# KiCad board EnvChocTKL.kicad_pcb
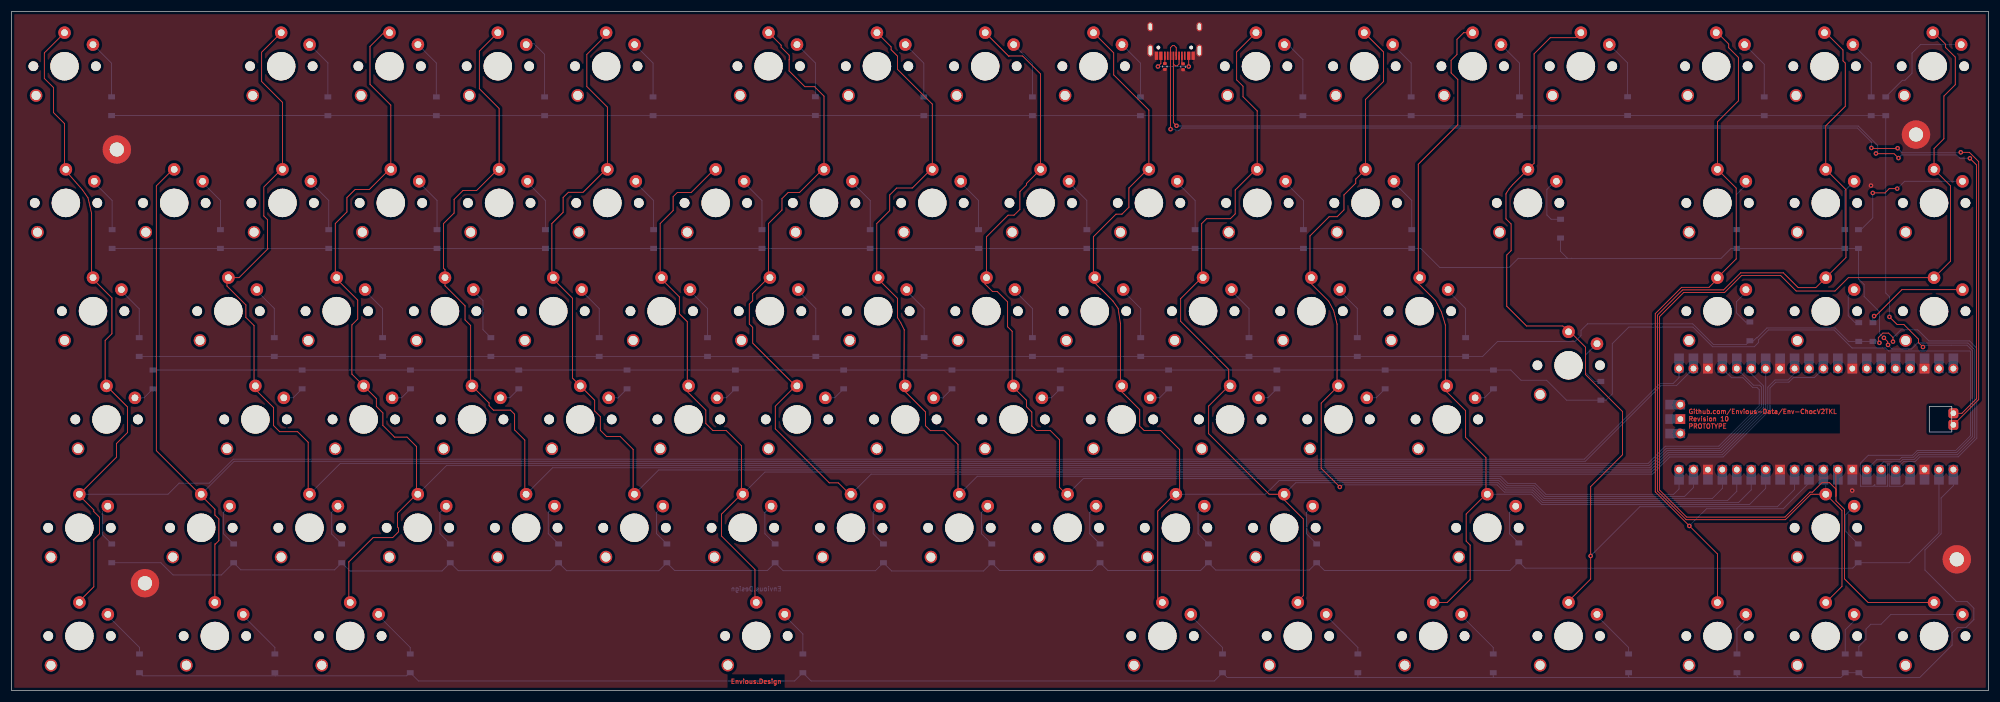
[diagram p0: board, top side]
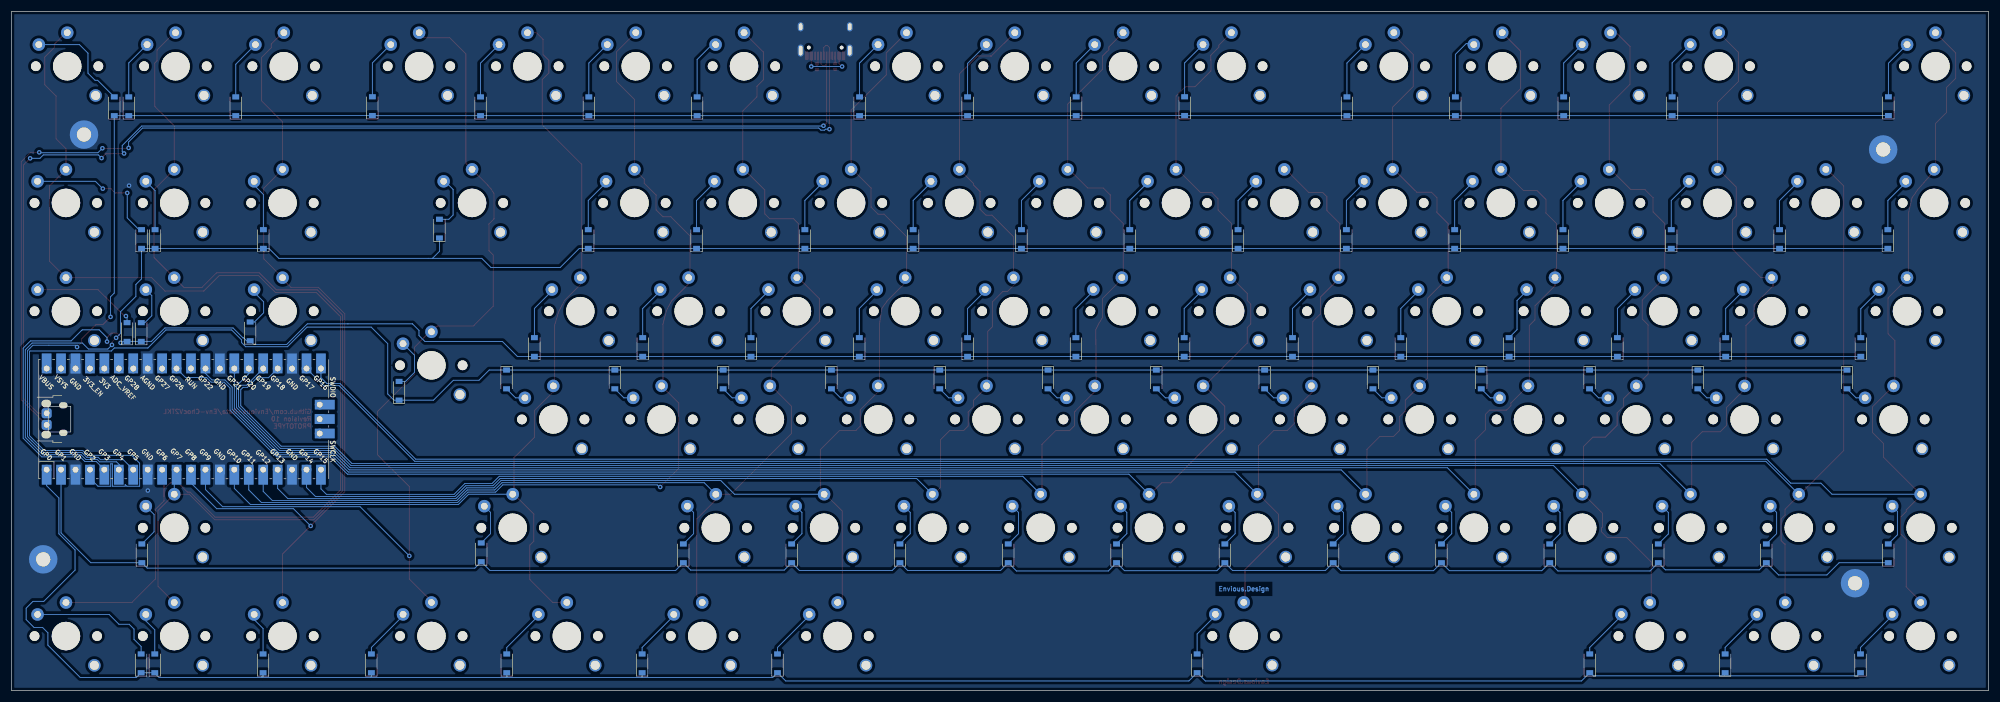
[diagram p1: board, bottom side, seen from below]

Outline 347.8 x 119.5 mm; copper layers: Top, Bottom. Coordinates in mm from the lower left corner of the outline.
Outline path: rectangle 0,119.5 347.8,0 ; rectangle 337.35,50.03 341.33,45.5
Stack: Top 0.035mm / dielectric 1.51mm FR4 er 4.5 / Bottom 0.035mm

## Placement (name value [footprint] x y rotation side)
D_0  D  [D_SOD-123]  17.63 102.82 90 bottom
D_1  D  [D_SOD-123]  55.68 102.8 90 bottom
D_2  D  [D_SOD-123]  74.75 102.8 90 bottom
D_3  D  [D_SOD-123]  93.8 102.8 90 bottom
D_4  D  [D_SOD-123]  112.88 102.8 90 bottom
D_5  D  [D_SOD-123]  141.43 102.82 90 bottom
D_6  D  [D_SOD-123]  160.5 102.8 90 bottom
D_7  D  [D_SOD-123]  179.6 102.8 90 bottom
D_8  D  [D_SOD-123]  198.6 102.8 90 bottom
D_9  D  [D_SOD-123]  227.17 102.8 90 bottom
D_10  D  [D_SOD-123]  246.22 102.8 90 bottom
D_11  D  [D_SOD-123]  265.27 102.8 90 bottom
D_12  D  [D_SOD-123]  284.3 102.82 90 bottom
D_13  D  [D_SOD-123]  308.33 102.8 90 bottom
D_14  D  [D_SOD-123]  327.15 102.8 90 bottom
D_15  D  [D_SOD-123]  329.7 102.8 90 bottom
D_16  D  [D_SOD-123]  17.73 79.45 90 bottom
D_17  D  [D_SOD-123]  36.77 79.45 90 bottom
D_18  D  [D_SOD-123]  55.82 79.45 90 bottom
D_19  D  [D_SOD-123]  74.88 79.45 90 bottom
D_20  D  [D_SOD-123]  93.93 79.45 90 bottom
D_21  D  [D_SOD-123]  112.97 79.45 90 bottom
D_22  D  [D_SOD-123]  132.03 79.45 90 bottom
D_23  D  [D_SOD-123]  151.08 79.45 90 bottom
D_24  D  [D_SOD-123]  170.12 79.45 90 bottom
D_25  D  [D_SOD-123]  189.18 79.45 90 bottom
D_26  D  [D_SOD-123]  208.22 79.45 90 bottom
D_27  D  [D_SOD-123]  227.28 79.45 90 bottom
D_28  D  [D_SOD-123]  246.33 79.45 90 bottom
D_29  D  [D_SOD-123]  272.5 81.28 90 bottom
D_30  D  [D_SOD-123]  303.47 79.45 90 bottom
D_31  D  [D_SOD-123]  322.52 79.45 90 bottom
D_32  D  [D_SOD-123]  324.9 79.45 90 bottom
D_33  D  [D_SOD-123]  22.49 60.45 90 bottom
D_34  D  [D_SOD-123]  46.25 60.45 90 bottom
D_35  D  [D_SOD-123]  65.3 60.45 90 bottom
D_36  D  [D_SOD-123]  84.35 60.45 90 bottom
D_37  D  [D_SOD-123]  103.4 60.45 90 bottom
D_38  D  [D_SOD-123]  122.45 60.45 90 bottom
D_39  D  [D_SOD-123]  141.5 60.45 90 bottom
D_40  D  [D_SOD-123]  160.55 60.45 90 bottom
D_41  D  [D_SOD-123]  179.6 60.45 90 bottom
D_42  D  [D_SOD-123]  198.65 60.45 90 bottom
D_43  D  [D_SOD-123]  217.7 60.45 90 bottom
D_44  D  [D_SOD-123]  236.75 60.45 90 bottom
D_45  D  [D_SOD-123]  255.8 60.45 90 bottom
D_46  D  [D_SOD-123]  279.6 52.75 90 bottom
D_47  D  [D_SOD-123]  305.8 63.2 90 bottom
D_48  D  [D_SOD-123]  324.95 63.09 90 bottom
D_49  D  [D_SOD-123]  327.45 63.09 90 bottom
D_50  D  [D_SOD-123]  24.91 54.75 270 bottom
D_51  D  [D_SOD-123]  51.15 54.75 270 bottom
D_52  D  [D_SOD-123]  70.2 54.75 270 bottom
D_53  D  [D_SOD-123]  89.25 54.75 270 bottom
D_54  D  [D_SOD-123]  108.3 54.75 270 bottom
D_55  D  [D_SOD-123]  127.35 54.75 270 bottom
D_56  D  [D_SOD-123]  146.4 54.75 270 bottom
D_57  D  [D_SOD-123]  165.45 54.75 270 bottom
D_58  D  [D_SOD-123]  184.5 54.75 270 bottom
D_59  D  [D_SOD-123]  203.55 54.75 270 bottom
D_60  D  [D_SOD-123]  222.6 54.75 270 bottom
D_61  D  [D_SOD-123]  241.65 54.75 270 bottom
D_62  D  [D_SOD-123]  260.7 54.75 270 bottom
D_63  D  [D_SOD-123]  17.65 24.15 90 bottom
D_64  D  [D_SOD-123]  39.1 24.15 90 bottom
D_65  D  [D_SOD-123]  58.1 24.15 90 bottom
D_66  D  [D_SOD-123]  77.2 24.15 90 bottom
D_67  D  [D_SOD-123]  96.25 24.15 90 bottom
D_68  D  [D_SOD-123]  115.3 24.15 90 bottom
D_69  D  [D_SOD-123]  134.35 24.15 90 bottom
D_70  D  [D_SOD-123]  153.4 24.15 90 bottom
D_71  D  [D_SOD-123]  172.45 24.15 90 bottom
D_72  D  [D_SOD-123]  191.5 24.15 90 bottom
D_73  D  [D_SOD-123]  210.55 24.15 90 bottom
D_74  D  [D_SOD-123]  229.6 24.15 90 bottom
D_75  D  [D_SOD-123]  265.15 24.32 90 bottom
D_76  D  [D_SOD-123]  324.85 24.15 90 bottom
D_77  D  [D_SOD-123]  22.54 4.8 90 bottom
D_78  D  [D_SOD-123]  46.35 4.8 90 bottom
D_79  D  [D_SOD-123]  70.16 4.8 90 bottom
D_80  D  [D_SOD-123]  139.22 4.8 90 bottom
D_81  D  [D_SOD-123]  213.04 4.8 90 bottom
D_82  D  [D_SOD-123]  236.85 4.8 90 bottom
D_83  D  [D_SOD-123]  260.66 4.8 90 bottom
D_84  D  [D_SOD-123]  284.47 4.8 90 bottom
D_85  D  [D_SOD-123]  303.52 4.8 90 bottom
D_86  D  [D_SOD-123]  322.57 4.8 90 bottom
D_87  D  [D_SOD-123]  324.97 4.8 90 bottom
H1  MountingHole_Pad  [MountingHole_2.5mm_Pad]  335.02 97.82 0 top
H2  MountingHole_Pad  [MountingHole_2.5mm_Pad]  18.55 95.2 0 top
H3  MountingHole_Pad  [MountingHole_2.5mm_Pad]  23.5 18.9 0 top
H4  MountingHole_Pad  [MountingHole_2.5mm_Pad]  342.2 23.1 0 top
K_0  KEYSW  [SW_Kailh_Choc_V2]  9.35 109.85 0 top
K_1  KEYSW  [SW_Kailh_Choc_V2]  47.46 109.85 0 top
K_2  KEYSW  [SW_Kailh_Choc_V2]  66.51 109.85 0 top
K_3  KEYSW  [SW_Kailh_Choc_V2]  85.56 109.85 0 top
K_4  KEYSW  [SW_Kailh_Choc_V2]  104.62 109.86 0 top
K_5  KEYSW  [SW_Kailh_Choc_V2]  133.19 109.86 0 top
K_6  KEYSW  [SW_Kailh_Choc_V2]  152.25 109.85 0 top
K_7  KEYSW  [SW_Kailh_Choc_V2]  171.3 109.85 0 top
K_8  KEYSW  [SW_Kailh_Choc_V2]  190.35 109.85 0 top
K_9  KEYSW  [SW_Kailh_Choc_V2]  218.93 109.85 0 top
K_10  KEYSW  [SW_Kailh_Choc_V2]  237.97 109.85 0 top
K_11  KEYSW  [SW_Kailh_Choc_V2]  257.02 109.85 0 top
K_12  KEYSW  [SW_Kailh_Choc_V2]  276.07 109.85 0 top
K_13  KEYSW  [SW_Kailh_Choc_V2]  299.88 109.85 0 top
K_14  KEYSW  [SW_Kailh_Choc_V2]  318.92 109.85 0 top
K_15  KEYSW  [SW_Kailh_Choc_V2]  337.97 109.85 0 top
K_16  KEYSW  [SW_Kailh_Choc_V2]  9.59 85.8 0 top
K_17  KEYSW  [SW_Kailh_Choc_V2]  28.64 85.8 0 top
K_18  KEYSW  [SW_Kailh_Choc_V2]  47.69 85.8 0 top
K_19  KEYSW  [SW_Kailh_Choc_V2]  66.74 85.8 0 top
K_20  KEYSW  [SW_Kailh_Choc_V2]  85.79 85.8 0 top
K_21  KEYSW  [SW_Kailh_Choc_V2]  104.84 85.8 0 top
K_22  KEYSW  [SW_Kailh_Choc_V2]  123.89 85.8 0 top
K_23  KEYSW  [SW_Kailh_Choc_V2]  142.94 85.8 0 top
K_24  KEYSW  [SW_Kailh_Choc_V2]  161.99 85.8 0 top
K_25  KEYSW  [SW_Kailh_Choc_V2]  181.04 85.8 0 top
K_26  KEYSW  [SW_Kailh_Choc_V2]  200.09 85.8 0 top
K_27  KEYSW  [SW_Kailh_Choc_V2]  219.14 85.8 0 top
K_28  KEYSW  [SW_Kailh_Choc_V2]  238.19 85.8 0 top
K_29  KEYSW  [SW_Kailh_Choc_V2]  266.76 85.8 0 top
K_30  KEYSW  [SW_Kailh_Choc_V2]  300.1 85.8 0 top
K_31  KEYSW  [SW_Kailh_Choc_V2]  319.15 85.8 0 top
K_32  KEYSW  [SW_Kailh_Choc_V2]  338.2 85.8 0 top
K_33  KEYSW  [SW_Kailh_Choc_V2]  14.36 66.76 0 top
K_34  KEYSW  [SW_Kailh_Choc_V2]  38.17 66.76 0 top
K_35  KEYSW  [SW_Kailh_Choc_V2]  57.22 66.76 0 top
K_36  KEYSW  [SW_Kailh_Choc_V2]  76.27 66.76 0 top
K_37  KEYSW  [SW_Kailh_Choc_V2]  95.32 66.76 0 top
K_38  KEYSW  [SW_Kailh_Choc_V2]  114.37 66.76 0 top
K_39  KEYSW  [SW_Kailh_Choc_V2]  133.42 66.76 0 top
K_40  KEYSW  [SW_Kailh_Choc_V2]  152.47 66.76 0 top
K_41  KEYSW  [SW_Kailh_Choc_V2]  171.52 66.76 0 top
K_42  KEYSW  [SW_Kailh_Choc_V2]  190.57 66.76 0 top
K_43  KEYSW  [SW_Kailh_Choc_V2]  209.62 66.76 0 top
K_44  KEYSW  [SW_Kailh_Choc_V2]  228.67 66.76 0 top
K_45  KEYSW  [SW_Kailh_Choc_V2]  247.72 66.76 0 top
K_46  KEYSW  [SW_Kailh_Choc_V2]  273.91 57.23 0 top
K_47  KEYSW  [SW_Kailh_Choc_V2]  300.1 66.75 0 top
K_48  KEYSW  [SW_Kailh_Choc_V2]  319.15 66.75 0 top
K_49  KEYSW  [SW_Kailh_Choc_V2]  338.2 66.75 0 top
K_50  KEYSW  [SW_Kailh_Choc_V2]  16.73 47.71 0 top
K_51  KEYSW  [SW_Kailh_Choc_V2]  42.92 47.71 0 top
K_52  KEYSW  [SW_Kailh_Choc_V2]  61.97 47.71 0 top
K_53  KEYSW  [SW_Kailh_Choc_V2]  81.02 47.71 0 top
K_54  KEYSW  [SW_Kailh_Choc_V2]  100.07 47.71 0 top
K_55  KEYSW  [SW_Kailh_Choc_V2]  119.12 47.71 0 top
K_56  KEYSW  [SW_Kailh_Choc_V2]  138.17 47.71 0 top
K_57  KEYSW  [SW_Kailh_Choc_V2]  157.22 47.71 0 top
K_58  KEYSW  [SW_Kailh_Choc_V2]  176.27 47.71 0 top
K_59  KEYSW  [SW_Kailh_Choc_V2]  195.32 47.71 0 top
K_60  KEYSW  [SW_Kailh_Choc_V2]  214.37 47.71 0 top
K_61  KEYSW  [SW_Kailh_Choc_V2]  233.42 47.71 0 top
K_62  KEYSW  [SW_Kailh_Choc_V2]  252.47 47.71 0 top
K_63  KEYSW  [SW_Kailh_Choc_V2]  11.96 28.65 0 top
K_64  KEYSW  [SW_Kailh_Choc_V2]  33.39 28.65 0 top
K_65  KEYSW  [SW_Kailh_Choc_V2]  52.44 28.65 0 top
K_66  KEYSW  [SW_Kailh_Choc_V2]  71.49 28.65 0 top
K_67  KEYSW  [SW_Kailh_Choc_V2]  90.54 28.65 0 top
K_68  KEYSW  [SW_Kailh_Choc_V2]  109.59 28.65 0 top
K_69  KEYSW  [SW_Kailh_Choc_V2]  128.64 28.65 0 top
K_70  KEYSW  [SW_Kailh_Choc_V2]  147.69 28.65 0 top
K_71  KEYSW  [SW_Kailh_Choc_V2]  166.74 28.65 0 top
K_72  KEYSW  [SW_Kailh_Choc_V2]  185.79 28.65 0 top
K_73  KEYSW  [SW_Kailh_Choc_V2]  204.84 28.65 0 top
K_74  KEYSW  [SW_Kailh_Choc_V2]  223.89 28.65 0 top
K_75  KEYSW  [SW_Kailh_Choc_V2]  259.61 28.65 0 top
K_76  KEYSW  [SW_Kailh_Choc_V2]  319.15 28.65 0 top
K_77  KEYSW  [SW_Kailh_Choc_V2]  11.97 9.61 0 top
K_78  KEYSW  [SW_Kailh_Choc_V2]  35.78 9.61 0 top
K_79  KEYSW  [SW_Kailh_Choc_V2]  59.6 9.61 0 top
K_80  KEYSW  [SW_Kailh_Choc_V2]  131.03 9.62 0 top
K_81  KEYSW  [SW_Kailh_Choc_V2]  202.47 9.61 0 top
K_82  KEYSW  [SW_Kailh_Choc_V2]  226.28 9.61 0 top
K_83  KEYSW  [SW_Kailh_Choc_V2]  250.09 9.61 0 top
K_84  KEYSW  [SW_Kailh_Choc_V2]  273.91 9.61 0 top
K_85  KEYSW  [SW_Kailh_Choc_V2]  300.1 9.6 0 top
K_86  KEYSW  [SW_Kailh_Choc_V2]  319.15 9.6 0 top
K_87  KEYSW  [SW_Kailh_Choc_V2]  338.2 9.6 0 top
R5  5.1K 0402  [R_0402_1005Metric]  206.1 109.75 90 top
R6  5.1K 0402  [R_0402_1005Metric]  202.9 109.8 90 top
RPI1  Pico  [RPi_Pico_SMD_TH_MODIFIED]  317.47 47.78 90 bottom
USB1  TYPE-C-31-M-12  [HRO-TYPE-C-31-M-12]  204.65 119.38 180 top

## Library data of the parts
USB1 = -: LCSC: C165948

## Footprints (pads in the part's own frame, mm; a bottom-side part is the same pattern mirrored in y, then rotated)
D_SOD-123
  rect 0.9x1.2 smd: 1(-1.65,0) 2(1.65,0)
HRO-TYPE-C-31-M-12
  round 0.65 hole 0.65 unplated: (-2.89,6.25) (2.89,6.25)
  rect 0.6x1.45 smd: 1(-3.225,7.695) 2(-2.45,7.695) 11(2.45,7.695) 12(3.225,7.695)
  rect 0.3x1.45 smd: 3(-1.75,7.695) 4(-1.25,7.695) 5(-0.75,7.695) 6(-0.25,7.695) 7(0.25,7.695) 8(0.75,7.695) 9(1.25,7.695) 10(1.75,7.695)
  oval 1x2.1 hole 0.6x1.7: 13(-4.32,6.78) 13(4.32,6.78)
  oval 1x1.6 hole 0.6x1.2: 13(-4.32,2.6) 13(4.32,2.6)
MountingHole_2.5mm_Pad
  round 5 hole 2.5: 1(0,0)
R_0402_1005Metric
  rrect 0.54x0.64 smd: 1(-0.51,0) 2(0.51,0)
RPi_Pico_SMD_TH_MODIFIED
  oval 1.35x1.7 smd: (-2.73,24.19) (2.73,24.19)
  oval 1.1x1.5 smd: (-2.42,21.19) (2.42,21.19)
  oval 1.7x1.7 hole 1.02: 1(-8.89,24.13) 2(-8.89,21.59) 4(-8.89,16.51) 5(-8.89,13.97) 6(-8.89,11.43) 7(-8.89,8.89) 9(-8.89,3.81) 10(-8.89,1.27) 11(-8.89,-1.27) 12(-8.89,-3.81) 14(-8.89,-8.89) 15(-8.89,-11.43) 16(-8.89,-13.97) 17(-8.89,-16.51) 19(-8.89,-21.59) 20(-8.89,-24.13) 21(8.89,-24.13) 22(8.89,-21.59) 24(8.89,-16.51) 25(8.89,-13.97) 26(8.89,-11.43) 27(8.89,-8.89) 29(8.89,-3.81) 30(8.89,-1.27) 31(8.89,1.27) 32(8.89,3.81) 34(8.89,8.89) 35(8.89,11.43) 36(8.89,13.97) 37(8.89,16.51) 39(8.89,21.59) 40(8.89,24.13) 41(-2.54,-23.9) 43(2.54,-23.9)
  rect 3.5x1.7 smd: 1(-8.89,24.13) 2(-8.89,21.59) 3(-8.89,19.05) 4(-8.89,16.51) 5(-8.89,13.97) 6(-8.89,11.43) 7(-8.89,8.89) 8(-8.89,6.35) 9(-8.89,3.81) 10(-8.89,1.27) 11(-8.89,-1.27) 12(-8.89,-3.81) 13(-8.89,-6.35) 14(-8.89,-8.89) 15(-8.89,-11.43) 16(-8.89,-13.97) 17(-8.89,-16.51) 18(-8.89,-19.05) 19(-8.89,-21.59) 20(-8.89,-24.13) 21(8.89,-24.13) 22(8.89,-21.59) 23(8.89,-19.05) 24(8.89,-16.51) 25(8.89,-13.97) 26(8.89,-11.43) 27(8.89,-8.89) 28(8.89,-6.35) 29(8.89,-3.81) 30(8.89,-1.27) 31(8.89,1.27) 32(8.89,3.81) 33(8.89,6.35) 34(8.89,8.89) 35(8.89,11.43) 36(8.89,13.97) 37(8.89,16.51) 38(8.89,19.05) 39(8.89,21.59) 40(8.89,24.13)
  rect 1.7x1.7 hole 1.02: 3(-8.89,19.05) 8(-8.89,6.35) 13(-8.89,-6.35) 18(-8.89,-19.05) 23(8.89,-19.05) 28(8.89,-6.35) 33(8.89,6.35) 38(8.89,19.05) 42(0,-23.9)
  rect 1.7x3.5 smd: 41(-2.54,-23.9) 42(0,-23.9) 43(2.54,-23.9)
  rrect 1.75x1.75 hole 1: TP2(1.016,24.125) TP3(-1.016,24.125)
SW_Kailh_Choc_V2
  round 1.702 hole 1.702 unplated: (-5.475,0) (5.525,0)
  round 2.2 hole 1.6: (-5,-5.15)
  round 5 hole 5 unplated: (0,0)
  round 2.2 hole 1.2: 1(0,5.9) 2(5,3.8)

## Nets
GND: H1.1 H2.1 H3.1 H4.1 R5.1 R6.1 RPI1.3 RPI1.8 RPI1.13 RPI1.18 RPI1.23 RPI1.28 RPI1.33 RPI1.38 USB1.1 USB1.12 USB1.13
VBUS: USB1.2 USB1.11
col0: K_0.1 K_16.1 K_33.1 K_50.1 K_63.1 K_77.1 RPI1.21
col1: K_17.1 K_64.1 K_78.1 RPI1.22
col2: K_1.1 K_18.1 K_34.1 K_51.1 K_65.1 RPI1.24
col3: K_2.1 K_19.1 K_35.1 K_52.1 K_66.1 K_79.1 RPI1.25
col4: K_3.1 K_20.1 K_36.1 K_53.1 K_67.1 RPI1.26
col5: K_4.1 K_21.1 K_37.1 K_54.1 K_68.1 RPI1.27
col6: K_22.1 K_38.1 K_55.1 K_69.1 K_80.1 RPI1.29
col7: K_5.1 K_23.1 K_39.1 K_56.1 K_70.1 RPI1.31
col8: K_6.1 K_24.1 K_40.1 K_57.1 K_71.1 RPI1.20
col9: K_7.1 K_25.1 K_41.1 K_58.1 K_72.1 RPI1.19
col10: K_8.1 K_26.1 K_42.1 K_59.1 K_73.1 K_81.1 RPI1.17
col11: K_9.1 K_27.1 K_43.1 K_60.1 K_74.1 K_82.1 RPI1.16
col12: K_10.1 K_28.1 K_44.1 K_61.1 RPI1.15
col13: K_11.1 K_45.1 K_62.1 K_75.1 K_83.1 RPI1.14
col14: K_12.1 K_29.1 K_46.1 K_84.1 RPI1.12
col15: K_13.1 K_30.1 K_47.1 K_85.1 RPI1.11
col16: K_14.1 K_31.1 K_48.1 K_76.1 K_86.1 RPI1.10
col17: K_15.1 K_32.1 K_49.1 K_87.1 RPI1.9
row0: D_0.1 D_1.1 D_2.1 D_3.1 D_4.1 D_5.1 D_6.1 D_7.1 D_8.1 D_9.1 D_10.1 D_11.1 D_12.1 D_13.1 D_14.1 D_15.1 RPI1.7
row1: D_16.1 D_17.1 D_18.1 D_19.1 D_20.1 D_21.1 D_22.1 D_23.1 D_24.1 D_25.1 D_26.1 D_27.1 D_28.1 D_29.1 D_30.1 D_31.1 D_32.1 RPI1.6
row2: D_33.1 D_34.1 D_35.1 D_36.1 D_37.1 D_38.1 D_39.1 D_40.1 D_41.1 D_42.1 D_43.1 D_44.1 D_45.1 D_47.1 D_48.1 D_49.1 RPI1.5
row3: D_46.1 D_50.1 D_51.1 D_52.1 D_53.1 D_54.1 D_55.1 D_56.1 D_57.1 D_58.1 D_59.1 D_60.1 D_61.1 D_62.1 RPI1.4
row4: D_63.1 D_64.1 D_65.1 D_66.1 D_67.1 D_68.1 D_69.1 D_70.1 D_71.1 D_72.1 D_73.1 D_74.1 D_75.1 D_76.1 RPI1.2
row5: D_77.1 D_78.1 D_79.1 D_80.1 D_81.1 D_82.1 D_83.1 D_84.1 D_85.1 D_86.1 D_87.1 RPI1.1
USB_D+: RPI1.TP3 USB1.6 USB1.8
USB_D-: RPI1.TP2 USB1.5 USB1.7
Net-(D_0-Pad2): D_0.2 K_0.2
Net-(D_1-Pad2): D_1.2 K_1.2
Net-(D_2-Pad2): D_2.2 K_2.2
Net-(D_3-Pad2): D_3.2 K_3.2
Net-(D_4-Pad2): D_4.2 K_4.2
Net-(D_5-Pad2): D_5.2 K_5.2
Net-(D_6-Pad2): D_6.2 K_6.2
Net-(D_7-Pad2): D_7.2 K_7.2
Net-(D_8-Pad2): D_8.2 K_8.2
Net-(D_9-Pad2): D_9.2 K_9.2
Net-(D_10-Pad2): D_10.2 K_10.2
Net-(D_11-Pad2): D_11.2 K_11.2
Net-(D_12-Pad2): D_12.2 K_12.2
Net-(D_13-Pad2): D_13.2 K_13.2
Net-(D_14-Pad2): D_14.2 K_14.2
Net-(D_15-Pad2): D_15.2 K_15.2
Net-(D_16-Pad2): D_16.2 K_16.2
Net-(D_17-Pad2): D_17.2 K_17.2
Net-(D_18-Pad2): D_18.2 K_18.2
Net-(D_19-Pad2): D_19.2 K_19.2
Net-(D_20-Pad2): D_20.2 K_20.2
Net-(D_21-Pad2): D_21.2 K_21.2
Net-(D_22-Pad2): D_22.2 K_22.2
Net-(D_23-Pad2): D_23.2 K_23.2
Net-(D_24-Pad2): D_24.2 K_24.2
Net-(D_25-Pad2): D_25.2 K_25.2
Net-(D_26-Pad2): D_26.2 K_26.2
Net-(D_27-Pad2): D_27.2 K_27.2
Net-(D_28-Pad2): D_28.2 K_28.2
Net-(D_29-Pad2): D_29.2 K_29.2
Net-(D_30-Pad2): D_30.2 K_30.2
Net-(D_31-Pad2): D_31.2 K_31.2
Net-(D_32-Pad2): D_32.2 K_32.2
Net-(D_33-Pad2): D_33.2 K_33.2
Net-(D_34-Pad2): D_34.2 K_34.2
Net-(D_35-Pad2): D_35.2 K_35.2
Net-(D_36-Pad2): D_36.2 K_36.2
Net-(D_37-Pad2): D_37.2 K_37.2
Net-(D_38-Pad2): D_38.2 K_38.2
Net-(D_39-Pad2): D_39.2 K_39.2
Net-(D_40-Pad2): D_40.2 K_40.2
Net-(D_41-Pad2): D_41.2 K_41.2
Net-(D_42-Pad2): D_42.2 K_42.2
Net-(D_43-Pad2): D_43.2 K_43.2
Net-(D_44-Pad2): D_44.2 K_44.2
Net-(D_45-Pad2): D_45.2 K_45.2
Net-(D_46-Pad2): D_46.2 K_46.2
Net-(D_47-Pad2): D_47.2 K_47.2
Net-(D_48-Pad2): D_48.2 K_48.2
Net-(D_49-Pad2): D_49.2 K_49.2
Net-(D_50-Pad2): D_50.2 K_50.2
Net-(D_51-Pad2): D_51.2 K_51.2
Net-(D_52-Pad2): D_52.2 K_52.2
Net-(D_53-Pad2): D_53.2 K_53.2
Net-(D_54-Pad2): D_54.2 K_54.2
Net-(D_55-Pad2): D_55.2 K_55.2
Net-(D_56-Pad2): D_56.2 K_56.2
Net-(D_57-Pad2): D_57.2 K_57.2
Net-(D_58-Pad2): D_58.2 K_58.2
Net-(D_59-Pad2): D_59.2 K_59.2
Net-(D_60-Pad2): D_60.2 K_60.2
Net-(D_61-Pad2): D_61.2 K_61.2
Net-(D_62-Pad2): D_62.2 K_62.2
Net-(D_63-Pad2): D_63.2 K_63.2
Net-(D_64-Pad2): D_64.2 K_64.2
Net-(D_65-Pad2): D_65.2 K_65.2
Net-(D_66-Pad2): D_66.2 K_66.2
Net-(D_67-Pad2): D_67.2 K_67.2
Net-(D_68-Pad2): D_68.2 K_68.2
Net-(D_69-Pad2): D_69.2 K_69.2
Net-(D_70-Pad2): D_70.2 K_70.2
Net-(D_71-Pad2): D_71.2 K_71.2
Net-(D_72-Pad2): D_72.2 K_72.2
Net-(D_73-Pad2): D_73.2 K_73.2
Net-(D_74-Pad2): D_74.2 K_74.2
Net-(D_75-Pad2): D_75.2 K_75.2
Net-(D_76-Pad2): D_76.2 K_76.2
Net-(D_77-Pad2): D_77.2 K_77.2
Net-(D_78-Pad2): D_78.2 K_78.2
Net-(D_79-Pad2): D_79.2 K_79.2
Net-(D_80-Pad2): D_80.2 K_80.2
Net-(D_81-Pad2): D_81.2 K_81.2
Net-(D_82-Pad2): D_82.2 K_82.2
Net-(D_83-Pad2): D_83.2 K_83.2
Net-(D_84-Pad2): D_84.2 K_84.2
Net-(D_85-Pad2): D_85.2 K_85.2
Net-(D_86-Pad2): D_86.2 K_86.2
Net-(D_87-Pad2): D_87.2 K_87.2
Net-(R5-Pad2): R5.2 USB1.4
Net-(R6-Pad2): R6.2 USB1.10

Pads without a net: RPI1 30 32 34 35 36 37 39 40 41 42 43; USB1 3 9

## Via types
v1: diameter 0.8, hole 0.4, Top to Bottom, 24 vias

## Routing (per net, layer and track width the routed paths; a pad name or vN(x,y) marks a point on that pad's centre or on a via; arc(x,y) is an arc through that point)
GND:
  vias: v1(323.8,35.2) v1(327.1,88.85)
VBUS: length 9.4
  Top w0.15: v1(201.68,109.8) 202.2,110.32 USB1.11 ; USB1.2 v1(207.1,109.8)
  Bottom w0.15: v1(201.68,109.8) v1(207.1,109.8)
col0: length 406.4
  Top w0.15: 11.73,34.55 14.5,31.78 14.5,31.5 15.5,30.5 15.5,27.6 14.5,26.6 14.5,18.27 11.73,15.5 ; 16.49,53.6 16.49,61.59 17.69,62.79 17.69,69.08 14.11,72.65 14.11,83.94 13.48,86.7 12.5,88.1 9.35,91.7 9.35,99.75 7.4,101.7 7.4,106.1 5.8,107.7 5.8,112.2 K_0.1 ; K_63.1 18.5,41.09 18.5,43.47 20.42,45.4 20.42,49.91 K_50.1
  Bottom w0.15: RPI1.21 293.34,55.07 292.3,54.03 289.99,54.03 276.69,40.72 39.03,40.72 34.81,36.5 29.5,36.5 27.55,34.55 K_63.1
col1: length 353.7
  Top w0.15: 35.8,15.76 35.8,25.8 35.9,25.8 36.5,26.4 36.5,30.2 35.8,30.9 35.8,31.91 25.5,42.21 25.5,88.8 28.4,91.7
  Bottom w0.15: K_64.1 39.18,40.34 276.84,40.34 290.15,53.65 292.87,53.65 RPI1.22
col2: length 369.2
  Top w0.15: K_1.1 44.02,112.31 44.02,107.16 47.69,103.49 K_18.1 ; 42.69,53.6 42.69,64.21 41.25,65.65 41.25,67.85 37.93,71.17 37.93,72.65 ; 44.48,88.67 47.45,91.65 ; 52.21,34.55 52.21,43.69 50.35,45.55 47.2,45.55 46.12,46.62 46.12,49.78 42.69,53.21 ; 44.4,88.6 44.4,83.5 45.06,82.84 45.06,77.79 45.12,77.72 40.06,72.66 K_34.1
  Bottom w0.15: K_65.1 57.86,39.97 287.9,39.97 290.94,43 300.34,43 307.45,50.12 307.45,52.95 307.04,53.36 306.28,53.36 304.59,55.05 302.58,55.05 RPI1.24
col3: length 376.2
  Top w0.15: K_19.1 66.74,103.01 63.08,106.67 63.08,113.33 65.5,115.75 K_2.1 ; 66.5,91.7 62.98,88.17 60.48,88.17 59.02,86.72 59.02,84.22 56.98,82.17 56.98,72.65 60.93,68.7 60.93,65.38 59.9,64.35 59.9,55.68 K_52.1 64.2,51.38 64.2,50 65.35,48.85 65.35,46.65 67.4,44.6 69.6,44.6 71.26,42.94 71.26,34.55 67.93,31.22 67.93,28.77 68.1,28.6 68.1,27.95 67.07,26.92 63.63,26.92 59.36,22.64 59.36,15.5
  Bottom w0.15: K_66.1 76.53,39.59 288.06,39.59 291.09,42.62 300.49,42.62 307.83,49.96 307.83,53.44 307.53,53.73 306.43,53.73 RPI1.25
col4: length 328.7
  Top w0.15: 85.55,91.7 81.82,87.97 79.43,87.97 77.88,86.42 77.88,84.03 76.03,82.17 76.03,74.3 76.27,74.05 K_36.1 76.27,71.23 79.8,67.7 79.8,65.22 80.79,64.24 80.79,53.6 ; K_3.1 82.32,112.51 82.32,105.89 85.79,102.42 K_20.1 ; 90.31,34.55 90.31,44.07 88.52,45.87 88.52,48.62 87.79,49.35 84.8,49.35 84.03,50.12 84.03,50.61 K_53.1
  Bottom w0.15: RPI1.26 306.04,55.76 308.21,53.59 308.21,49.81 300.65,42.25 291.25,42.25 288.21,39.21 95.2,39.21 K_67.1
col5: length 309.2
  Top w0.15: 104.6,91.7 100.58,87.67 97.97,87.67 97.05,86.75 97.05,84.15 95.08,82.17 95.08,72.65 98.7,69.03 98.7,54.98 K_54.1 102.6,51.08 102.6,49.2 103.6,48.2 103.6,45.8 104.7,44.7 107.1,44.7 109.36,42.44 109.36,34.55 ; K_4.1 104.62,115.32 101.22,111.92 101.22,106.27 104.84,102.65 K_21.1
  Bottom w0.15: RPI1.27 308.58,49.65 300.8,41.87 291.41,41.87 288.37,38.84 113.88,38.84 K_68.1
col6: length 289.5
  Top w0.15: 123.65,91.7 119.6,87.65 117.15,87.65 116.4,86.9 116.4,84.45 114.12,82.17 114.12,72.65 117.5,69.28 117.5,66.3 118.89,64.91 118.89,52.61 122.15,49.35 122.15,47 123.4,45.75 125.75,45.75 128.41,43.09 128.41,34.55 124.9,31.04 124.9,27.2 130.79,21.31 130.79,15.76
  Bottom w0.15: K_69.1 132.55,38.46 288.53,38.46 291.56,41.49 300.96,41.49 308.96,49.49 308.96,53.39 310.22,54.65 312.5,54.65 313.66,55.81 RPI1.29
col7: length 286.5
  Top w0.15: 147.46,34.55 145.46,36.55 143.87,36.55 134.38,46.05 134.38,50.04 137.94,53.6 130.4,61.14 130.4,63.9 129.8,64.5 129.8,68 130.4,68.6 130.4,69.88 133.18,72.65 133.18,82.17 135.55,84.55 135.55,86.55 136.62,87.62 138.62,87.62 142.7,91.7 ; K_23.1 142.94,104.59 141.28,106.25 139.58,106.25 136.8,109.03 136.8,110.97 136.83,111 136.83,111.77 135.4,113.2 135.4,113.55 K_5.1
  Bottom w0.15: K_70.1 151.22,38.08 288.68,38.08 291.72,41.12 301.11,41.12 309.34,49.34 309.34,53.24 310.37,54.27 312.66,54.27 313.48,55.1 317.18,55.1 RPI1.31
col8: length 230.2
  Top w0.15: 156.99,52.84 160.79,49.04 160.79,46.61 161.66,45.74 164.09,45.74 166.51,43.31 166.51,34.55 ; 156.99,53.6 157.05,63.47 156.46,64.69 155.88,65.62 155.86,69.01 152.22,72.65 152.22,82.17 154.5,84.45 154.5,87.2 155.72,88.42 158.47,88.42 161.75,91.7 ; K_24.1 161.99,103.19 155.88,109.3 155.88,111.62 154.75,112.75 154.75,113.25 K_6.1
  Bottom w0.15: RPI1.20 293.34,35.49 292.38,34.53 269.93,34.53 268.03,36.43 263.25,36.43 261.97,37.71 169.9,37.71 K_71.1
col9: length 215.5
  Top w0.15: K_7.1 175.45,111.6 175.5,111.65 177.88,111.65 181.04,108.48 K_25.1 178.58,89.23 178.58,88.97 177.4,87.8 177.4,84.67 176.38,83.65 175.33,83.65 171.52,79.85 K_41.1 ; 185.56,34.55 184.38,35.74 184.38,44.12 182.75,45.75 180.3,45.75 179.5,46.55 179.5,49 178.55,49.95 178.55,51.09 176.04,53.6 176.04,63.21 175.24,64.01 175.24,68.39 173.43,70.2 172.6,70.2 171.28,71.53 171.28,72.65
  Bottom w0.15: K_72.1 188.57,37.33 261.82,37.33 263.09,36.06 267.87,36.06 269.77,34.16 294.31,34.16 295.88,35.73 RPI1.19
col10: length 218.6
  Top w0.15: 201.65,16.08 201.65,31.59 205.5,35.44 205.5,42.4 202.15,45.75 199.25,45.75 198.47,46.53 198.47,49.42 195.09,52.81 ; K_26.1 200.09,102.13 193.9,108.32 193.9,112.2 K_8.1 ; 190.33,72.65 190.33,79.85 194.3,83.82 195.35,83.82 196.58,85.05 196.58,88.42 199.85,91.7 ; 190.33,71.97 193.78,68.53 194.68,67.25 195.09,64.56 195.09,53.6
  Bottom w0.15: RPI1.17 300.96,35.57 299.17,33.78 269.62,33.78 267.72,35.68 262.94,35.68 261.66,36.95 223,36.95 220.6,34.55 K_73.1
col11: length 210.6
  Top w0.15: 223.66,33.79 227.25,30.2 227.25,16.71 226.04,15.5 ; K_9.1 215.53,112.35 215.53,107.45 216.65,106.32 216.65,104.47 219.14,101.98 K_27.1 218.9,91.7 215.28,88.07 215.28,83.88 214.43,83.03 210.22,83.03 209.38,82.17 209.38,72.65 205.68,68.95 205.68,64.97 214.14,56.51 214.14,53.6 210.6,50.06 210.6,45.2 221.25,34.55 223.66,34.55
  Bottom w0.15: RPI1.16 303.5,35.06 301.88,33.43 269.47,33.43 267.6,35.3 262.78,35.3 261.51,36.58 225.92,36.58 K_74.1
col12: length 169.1
  Top w0.15: 237.95,91.7 237.95,91.46 236.48,89.99 236.48,89.28 234.4,87.2 234.4,84.57 233.2,83.38 231.8,83.38 228.42,80 228.42,72.65 ; 233.19,53.6 233.19,64.46 232.58,66.88 231.7,68.53 228.42,71.8 ; K_10.1 241.38,112.35 241.38,107.17 238.19,103.99 K_28.1 ; v1(233.67,35.82) 230.4,39.1 230.4,50.59 K_61.1
  Bottom w0.15: RPI1.15 306.04,35.32 303.8,33.08 269.33,33.08 267.48,34.93 262.62,34.93 261.35,36.2 234.2,36.2 233.83,35.82 v1(233.67,35.82)
col13: length 170.2
  Top w0.15: 249.86,15.5 252.55,15.5 256.6,19.55 256.6,25.6 255.9,26.3 255.9,31.07 259.38,34.55 259.38,40.97 255.8,44.55 255.8,49.25 252.24,52.81 ; K_11.1 255.45,115.75 254.28,114.57 254.28,111.9 253.25,110.88 253.25,108.67 254.42,107.5 254.42,99.55 247.47,92.6 247.47,71.65 250.51,68.61 251.55,66.6 252.24,64.31 252.24,53.6
  Bottom w0.15: RPI1.14 308.58,35.58 305.73,32.73 269.18,32.73 267.36,34.55 K_75.1
col14: length 170.5
  Top w0.15: 273.27,64.04 276.9,60.41 276.9,55.6 283.4,49.1 283.4,41.5 277.8,35.9 v1(277.8,23.7) 277.8,19.63 273.67,15.5 ; K_46.1 272.89,64.15 266.52,64.15 263.04,67.63 263.04,76.64 263.8,77.4 263.8,82.1 262.9,83 262.9,87.4 263.02,87.62 263.46,88.29 264.04,88.97 267.85,92.78 267.85,112.02 270.7,114.87 275.18,114.87 276.07,115.76
  Bottom w0.15: RPI1.12 313.66,35.38 310.63,32.35 286.45,32.35 v1(277.8,23.7)
col15: length 144
  Top w0.15: 300.1,72.43 298.62,70.95 293.79,70.95 289.16,66.32 289.16,34.98 295.15,28.99 v1(295.15,28.97) 295.16,28.97 300.1,24.04 K_85.1 ; 300.1,92 300.1,100.07 303.78,103.75 303.78,111.4 302.08,113.1 302.08,113.75 300.08,115.75 ; K_47.1 303.4,75.95 303.4,88.4 K_30.1
  Bottom w0.15: RPI1.11 316.2,36.53 311.67,32 298.18,32 v1(295.15,28.97)
col16: length 173.8
  Top w0.15: 319.13,115.75 322.18,112.7 322.18,110.8 322.58,110.4 322.58,102.8 319.15,99.37 K_31.1 322.7,88.15 322.7,76.2 K_48.1 317.4,70.9 314.3,70.9 311.7,73.5 304.17,73.5 301.17,70.5 293.97,70.5 289.54,66.06 289.54,35.14 294.6,30.07 312.05,30.07 316.52,34.55 K_76.1 322,31.7 322,18.35 K_86.1
  Bottom w0.15: RPI1.10 319.15,38.48 K_76.1
col17: length 207.2
  Top w0.15: K_87.1 326.6,15.5 322.45,19.65 322.45,31.89 320.95,33.39 320.95,34.2 ; 320.95,34.2 320.95,38.55 RPI1.9 ; 320.95,34.2 320.95,35.45 319.82,36.57 318.47,36.57 316.83,34.93 316.37,34.93 311.97,30.53 294.68,30.53 289.91,35.29 289.91,65.8 294.16,70.05 301.36,70.05 304.36,73.05 311.2,73.05 313.95,70.3 320.77,70.3 323.12,72.65 K_49.1 341.1,75.55 341.1,88.8 K_32.1 338.2,95.36 339.93,97.1 339.93,104.6 341.93,106.6 341.93,111.45 340.23,113.15 340.23,113.7 338.18,115.75
row0: length 401.6
  Top w0.15: v1(330.35,65.75) 331.7,64.4 332.9,64.4 335.45,61.85 335.45,61.25 v1(336.25,60.45)
  Bottom w0.15: v1(330.35,65.75) 330.35,69.3 329.7,69.95 D_15.1 D_14.1 327.15,101.15 D_13.1 308.31,101.17 D_12.1 284.27,101.15 D_11.1 D_10.1 D_9.1 D_8.1 D_7.1 D_6.1 160.47,101.17 D_5.1 141.4,101.15 D_4.1 D_3.1 D_2.1 D_1.1 55.65,101.17 D_0.1 ; v1(336.25,60.45) 336.57,60.77 344,60.77 344.97,59.8 344.97,44.72 342.13,41.88 335.38,41.88 334.55,41.05 332.55,41.05 332.12,40.63 328.1,40.63 RPI1.7
row1: length 384.5
  Top w0.15: v1(329.38,62.06) 330.05,61.39 330.05,60.88 v1(330.11,60.82)
  Bottom w0.15: v1(329.38,62.06) 328.6,62.84 328.6,66.65 325.9,69.35 325.9,71.45 324.9,72.45 D_32.1 D_30.1 302.5,77.8 300.75,76.05 273.73,76.05 ; D_16.1 D_28.1 247.9,77.8 251.25,74.45 263.45,74.45 265.05,76.05 273.73,76.05 ; 273.73,76.05 272.5,77.28 D_29.1 ; RPI1.6 328.8,38.99 328.8,39.75 329.3,40.25 332.28,40.25 332.7,40.68 334.71,40.68 335.54,41.5 342.29,41.5 345.35,44.56 345.35,59.95 344.15,61.15 335.3,61.15 334.25,60.1 330.82,60.1 v1(330.11,60.82)
row2: length 367.6
  Top w0.15: v1(328.6,61.18) 328.4,61.38 328.4,62.1 329.2,62.9 330.2,62.9 330.97,62.12 v1(330.97,61.4)
  Bottom w0.15: RPI1.5 332.86,40.3 334.87,40.3 335.69,41.13 342.44,41.13 345.72,44.41 345.72,60.24 344.44,61.52 337.29,61.52 335.47,63.35 335.45,63.35 335.33,63.47 332.36,63.47 330.97,62.09 v1(330.97,61.4) ; 22.4,58.8 D_45.1 258.8,58.8 261.41,61.41 275.04,61.41 276.1,62.47 276.1,63.38 277.25,64.53 277.25,64.53 288.6,64.53 288.6,64.53 295.74,64.53 299.39,60.88 305.13,60.88 D_47.1 306.44,61.55 306.95,62.06 307.06,62.06 308.8,63.8 320.8,63.8 323.16,61.44 D_48.1 D_49.1 328.34,61.44 v1(328.6,61.18)
row3: length 396.7
  Bottom w0.15: 24.45,56.4 D_51.1 D_52.1 D_53.1 D_54.1 D_55.1 D_56.1 D_57.1 D_58.1 D_59.1 D_60.1 D_61.1 D_62.1 263.75,56.4 265.55,54.6 270.05,54.6 273.55,51.1 D_46.1 280.5,51.1 281.6,52.2 281.6,61.05 284.5,63.95 295.79,63.95 299.24,60.5 306.58,60.5 307.3,61.22 307.3,61.7 309.05,63.45 320.62,63.45 323.79,60.28 329.69,60.28 330.22,59.75 344.52,59.75 344.62,59.65 344.62,44.86 341.99,42.23 335.23,42.23 334.41,41.4 326.63,41.4 325.24,40.01 325.24,35.96 327.49,35.96 327.78,36.25 327.78,35.96 330.03,35.96 330.03,39.9 330.32,39.9 330.32,35.96 332.57,35.96 333.98,37.38 RPI1.4
row4: length 349.9
  Bottom w0.15: RPI1.2 339.06,27.74 333.82,22.5 D_76.1 323.9,21.55 266.27,21.55 D_75.1 263.62,21.15 230.95,21.15 D_74.1 228.3,21.2 211.85,21.2 D_73.1 209.2,21.15 192.85,21.15 D_72.1 190.15,21.15 173.8,21.15 D_71.1 171,21.05 154.85,21.05 D_70.1 152,21.1 135.75,21.1 D_69.1 133,21.15 116.65,21.15 D_68.1 113.9,21.1 97.65,21.1 D_67.1 94.85,21.1 78.6,21.1 D_66.1 75.75,21.05 59.55,21.05 D_65.1 56.85,21.25 40.35,21.25 D_64.1 36.95,20.35 28.45,20.35 26.3,22.5 D_63.1
row5: length 369.2
  Bottom w0.15: 236.9,2.3 213.89,2.3 D_81.1 211.59,1.7 140.68,1.7 D_80.1 137.78,1.7 71.61,1.7 D_79.1 ; 236.9,2.3 260.8,2.3 ; 236.9,2.3 236.85,2.35 D_82.1 ; 260.8,2.3 260.66,2.44 D_83.1 ; 260.8,2.3 284.6,2.3 ; RPI1.1 341.6,36.05 339.44,33.89 339.44,27.59 336.6,24.75 336.6,21.2 342.1,15.7 344,15.7 345.2,14.5 345.2,12.5 343.8,11.1 342.3,11.1 341.38,10.17 341.38,8 335.67,2.3 325.82,2.3 D_87.1 322.65,3.15 321.8,2.3 303.7,2.3 ; 70.05,3.15 69.5,2.6 46.4,2.6 ; 46.4,2.6 46.4,3.1 ; 46.4,2.6 23.09,2.6 D_77.1 ; D_85.1 303.52,2.57 303.7,2.4 303.7,2.3 ; 284.6,2.3 303.7,2.3 ; 284.6,2.3 284.47,2.42 D_84.1
USB_D+: length 210.8
  Top w0.15: v1(327.17,95.47) 327.27,95.38 331.75,95.38 v1(331.79,95.42) ; RPI1.TP3 346.05,51.21 346.05,93.06 344.41,94.7 v1(342.9,94.7) ; v1(203.9,98.78) USB1.8 203.9,113.13 204.27,113.5 204.53,113.5 204.9,113.13 USB1.6
  Bottom w0.15: v1(203.9,98.78) 204.6,98.78 204.77,98.6 205.4,98.6 205.78,98.98 324.73,98.98 327.17,96.53 v1(327.17,95.47) ; v1(342.9,94.7) 342.83,94.63 332.58,94.63 v1(331.79,95.42)
USB_D-: length 207
  Top w0.15: v1(204.95,99.38) 204.4,99.92 204.4,110.45 ; v1(331.94,93.69) 331.17,94.46 328.02,94.46 v1(327.97,94.5) ; USB1.7 204.4,110.45 ; 204.4,110.45 204.4,110.27 204.74,109.92 205.07,109.92 205.4,110.25 USB1.5 ; v1(344.5,93.65) 345.67,92.48 345.67,51.37 343.1,48.79 RPI1.TP2
  Bottom w0.15: v1(331.94,93.69) 332.5,94.25 342.17,94.25 342.77,93.65 v1(344.5,93.65) ; v1(204.95,99.38) 205,99.32 324.88,99.32 328.3,95.9 328.3,94.82 v1(327.97,94.5)
Net-(D_0-Pad2): length 10.5
  Bottom w0.15: K_0.2 17.63,110.37 D_0.2
Net-(D_1-Pad2): length 10.5
  Bottom w0.15: D_1.2 55.68,110.44 K_1.2
Net-(D_2-Pad2): length 10.5
  Bottom w0.15: K_2.2 74.75,110.41 D_2.2
Net-(D_3-Pad2): length 11.6
  Bottom w0.15: K_3.2 90.74,113.82 91.9,113.82 93.8,111.92 D_3.2
Net-(D_4-Pad2): length 10.6
  Bottom w0.15: K_4.2 112.88,110.41 D_4.2
Net-(D_5-Pad2): length 10.5
  Bottom w0.15: D_5.2 141.43,110.42 K_5.2
Net-(D_6-Pad2): length 10.5
  Bottom w0.15: D_6.2 160.5,110.4 K_6.2
Net-(D_7-Pad2): length 10.6
  Bottom w0.15: K_7.2 179.6,110.35 D_7.2
Net-(D_8-Pad2): length 10.5
  Bottom w0.15: K_8.2 198.6,110.4 D_8.2
Net-(D_9-Pad2): length 10.9
  Bottom w0.15: K_9.2 224.55,113.65 227.17,111.03 D_9.2
Net-(D_10-Pad2): length 10.5
  Bottom w0.15: D_10.2 246.22,110.4 K_10.2
Net-(D_11-Pad2): length 10.5
  Bottom w0.15: D_11.2 265.27,110.4 K_11.2
Net-(D_12-Pad2): length 10.5
  Bottom w0.15: D_12.2 284.3,110.42 K_12.2
Net-(D_13-Pad2): length 10.6
  Bottom w0.15: D_13.2 308.33,110.19 K_13.2
Net-(D_14-Pad2): length 10.5
  Bottom w0.15: D_14.2 327.15,110.42 K_14.2
Net-(D_15-Pad2): length 19.2
  Bottom w0.15: D_15.2 332.62,107.38 333.07,107.38 334.32,108.62 334.32,112.15 335.82,113.65 K_15.2
Net-(D_16-Pad2): length 9.9
  Bottom w0.15: 14.35,89.6 17.73,86.22 D_16.2
Net-(D_17-Pad2): length 9.9
  Bottom w0.15: D_17.2 36.77,86.22 33.4,89.6
Net-(D_18-Pad2): length 9.9
  Bottom w0.15: 52.45,89.6 55.82,86.22 D_18.2
Net-(D_19-Pad2): length 9.9
  Bottom w0.15: 71.5,89.6 74.88,86.22 D_19.2
Net-(D_20-Pad2): length 9.9
  Bottom w0.15: D_20.2 93.93,86.22 90.55,89.6
Net-(D_21-Pad2): length 9.9
  Bottom w0.15: 109.6,89.6 112.97,86.22 D_21.2
Net-(D_22-Pad2): length 9.9
  Bottom w0.15: 128.65,89.6 132.03,86.22 D_22.2
Net-(D_23-Pad2): length 9.9
  Bottom w0.15: D_23.2 151.08,86.22 147.7,89.6
Net-(D_24-Pad2): length 9.9
  Bottom w0.15: D_24.2 170.12,86.22 166.75,89.6
Net-(D_25-Pad2): length 9.9
  Bottom w0.15: 185.8,89.6 189.18,86.22 D_25.2
Net-(D_26-Pad2): length 9.9
  Bottom w0.15: 204.85,89.6 208.22,86.22 D_26.2
Net-(D_27-Pad2): length 9.9
  Bottom w0.15: D_27.2 227.28,86.22 223.9,89.6
Net-(D_28-Pad2): length 9.9
  Bottom w0.15: 242.95,89.6 246.33,86.22 D_28.2
Net-(D_29-Pad2): length 9.2
  Bottom w0.15: D_29.2 270.85,82.92 270.1,83.67 270.1,88.17 271.52,89.6
Net-(D_30-Pad2): length 8.5
  Bottom w0.15: 305.1,88.92 303.47,87.3 D_30.2
Net-(D_31-Pad2): length 9.2
  Bottom w0.15: K_31.2 322.52,87.97 D_31.2
Net-(D_32-Pad2): length 23.9
  Top w0.15: v1(331.72,88.31) 330.31,88.31 329.56,87.56 v1(327.42,87.56)
  Bottom w0.15: v1(331.72,88.31) 333.01,89.6 K_32.2 ; 325.35,81.1 327.42,83.17 v1(327.42,87.56)
Net-(D_33-Pad2): length 9.8
  Bottom w0.15: D_33.2 22.49,67.18 19.11,70.55
Net-(D_34-Pad2): length 9.8
  Bottom w0.15: 42.93,70.55 46.25,67.22 D_34.2
Net-(D_35-Pad2): length 9.8
  Bottom w0.15: 61.98,70.55 65.3,67.22 D_35.2
Net-(D_36-Pad2): length 9.8
  Bottom w0.15: D_36.2 82.95,63.5 82.95,68.62 81.03,70.55
Net-(D_37-Pad2): length 9.8
  Bottom w0.15: 100.08,70.55 103.4,67.22 D_37.2
Net-(D_38-Pad2): length 9.8
  Bottom w0.15: 119.12,70.55 122.45,67.22 D_38.2
Net-(D_39-Pad2): length 9.8
  Bottom w0.15: D_39.2 141.5,67.22 138.18,70.55
Net-(D_40-Pad2): length 9.8
  Bottom w0.15: 157.22,70.55 160.55,67.22 D_40.2
Net-(D_41-Pad2): length 9.8
  Bottom w0.15: 176.28,70.55 179.6,67.22 D_41.2
Net-(D_42-Pad2): length 9.8
  Bottom w0.15: D_42.2 198.65,67.22 195.33,70.55
Net-(D_43-Pad2): length 9.8
  Bottom w0.15: 214.38,70.55 217.7,67.22 D_43.2
Net-(D_44-Pad2): length 9.8
  Bottom w0.15: 233.42,70.55 236.75,67.22 D_44.2
Net-(D_45-Pad2): length 9.8
  Bottom w0.15: 252.47,70.55 255.8,67.22 D_45.2
Net-(D_46-Pad2): length 9.2
  Bottom w0.15: K_46.2 276.9,59.02 276.9,55.97 278.47,54.4 D_46.2
Net-(D_47-Pad2): length 7.3
  Bottom w0.15: D_47.2 305.05,64.85 303.42,66.47 303.42,68.4 305.1,70.07
Net-(D_48-Pad2): length 7.4
  Bottom w0.15: D_48.2 324.31,64.74 323.1,65.95 323.1,69.5 K_48.2
Net-(D_49-Pad2): length 18.7
  Top w0.15: K_49.2 332.55,70.55 327.9,65.9 v1(327.65,65.9)
  Bottom w0.15: v1(327.65,65.9) 327.45,65.7 D_49.2
Net-(D_50-Pad2): length 3.8
  Bottom w0.15: K_50.2 23.32,51.51 D_50.2
Net-(D_51-Pad2): length 3.9
  Bottom w0.15: D_51.2 49.56,51.51 K_51.2
Net-(D_52-Pad2): length 3.9
  Bottom w0.15: D_52.2 68.61,51.51 K_52.2
Net-(D_53-Pad2): length 3.9
  Bottom w0.15: D_53.2 87.66,51.51 K_53.2
Net-(D_54-Pad2): length 3.9
  Bottom w0.15: K_54.2 106.71,51.51 D_54.2
Net-(D_55-Pad2): length 3.9
  Bottom w0.15: D_55.2 125.76,51.51 K_55.2
Net-(D_56-Pad2): length 3.9
  Bottom w0.15: D_56.2 144.81,51.51 K_56.2
Net-(D_57-Pad2): length 3.9
  Bottom w0.15: D_57.2 163.86,51.51 K_57.2
Net-(D_58-Pad2): length 3.9
  Bottom w0.15: K_58.2 182.91,51.51 D_58.2
Net-(D_59-Pad2): length 3.9
  Bottom w0.15: D_59.2 201.96,51.51 K_59.2
Net-(D_60-Pad2): length 3.9
  Bottom w0.15: D_60.2 221.01,51.51 K_60.2
Net-(D_61-Pad2): length 3.9
  Bottom w0.15: K_61.2 240.06,51.51 D_61.2
Net-(D_62-Pad2): length 3.9
  Bottom w0.15: D_62.2 259.11,51.51 K_62.2
Net-(D_63-Pad2): length 7.7
  Bottom w0.15: K_63.2 16.05,31.54 16.05,27.4 D_63.2
Net-(D_64-Pad2): length 7.9
  Bottom w0.15: D_64.2 37.29,27.61 37.29,31.35 K_64.2
Net-(D_65-Pad2): length 7.8
  Bottom w0.15: K_65.2 56.34,31.35 56.34,27.56 D_65.2
Net-(D_66-Pad2): length 7.9
  Bottom w0.15: K_66.2 75.39,31.35 75.39,27.61 D_66.2
Net-(D_67-Pad2): length 7.9
  Bottom w0.15: D_67.2 94.44,27.61 94.44,31.35 K_67.2
Net-(D_68-Pad2): length 7.9
  Bottom w0.15: D_68.2 113.49,27.61 113.49,31.35 K_68.2
Net-(D_69-Pad2): length 7.9
  Bottom w0.15: K_69.2 132.54,31.35 132.54,27.61 D_69.2
Net-(D_70-Pad2): length 7.9
  Bottom w0.15: D_70.2 151.59,27.61 151.59,31.35 K_70.2
Net-(D_71-Pad2): length 7.9
  Bottom w0.15: K_71.2 170.64,31.35 170.64,27.61 D_71.2
Net-(D_72-Pad2): length 7.9
  Bottom w0.15: D_72.2 189.69,27.61 189.69,31.35 K_72.2
Net-(D_73-Pad2): length 7.9
  Bottom w0.15: D_73.2 208.74,27.61 208.74,31.35 K_73.2
Net-(D_74-Pad2): length 7.9
  Bottom w0.15: K_74.2 227.79,31.35 227.79,27.61 D_74.2
Net-(D_75-Pad2): length 7.6
  Bottom w0.15: D_75.2 263.51,27.61 263.51,31.35 K_75.2
Net-(D_76-Pad2): length 8.1
  Bottom w0.15: D_76.2 322.7,27.95 322.7,31 K_76.2
Net-(D_77-Pad2): length 9.4
  Bottom w0.15: D_77.2 22.54,7.59 16.73,13.4
Net-(D_78-Pad2): length 9.4
  Bottom w0.15: D_78.2 46.35,7.59 40.54,13.4
Net-(D_79-Pad2): length 9.4
  Bottom w0.15: D_79.2 70.16,7.59 64.36,13.4
Net-(D_80-Pad2): length 8
  Bottom w0.15: D_80.2 139.22,9.97 136.03,13.17
Net-(D_81-Pad2): length 9.4
  Bottom w0.15: 207.23,13.4 213.04,7.59 D_81.2
Net-(D_82-Pad2): length 9.4
  Bottom w0.15: 231.04,13.4 236.85,7.59 D_82.2
Net-(D_83-Pad2): length 9.4
  Bottom w0.15: D_83.2 260.66,7.59 254.86,13.4
Net-(D_84-Pad2): length 9.4
  Bottom w0.15: D_84.2 284.47,7.59 278.67,13.4
Net-(D_85-Pad2): length 6.7
  Bottom w0.15: D_85.2 303.52,10.92 305.1,12.5
Net-(D_86-Pad2): length 7.6
  Bottom w0.15: D_86.2 322.57,10.7 324.15,12.28 K_86.2
Net-(D_87-Pad2): length 22.9
  Bottom w0.15: K_87.2 330.6,13.4 328.88,11.67 327.07,11.67 326.22,10.82 326.22,9.03 324.97,7.78 D_87.2
Net-(R5-Pad2): length 1.4
  Top w0.15: 205.9,110.31 USB1.4
Net-(R6-Pad2): length 1.4
  Top w0.15: R6.2 USB1.10

## Copper pours and planes (outline as drawn; the poured copper is in the pictures)
GND on Top, Bottom: 347.8,0 0,0 0,119.5 347.8,119.5

## Text on the board
Bottom: Envious.Design
Top: Github.com/Envious-Data/Env-ChocV2TKL / Revision 10 / PROTOTYPE | Envious.Design
